# Allegro board F103_LIQUID_V10A.brd (continued)
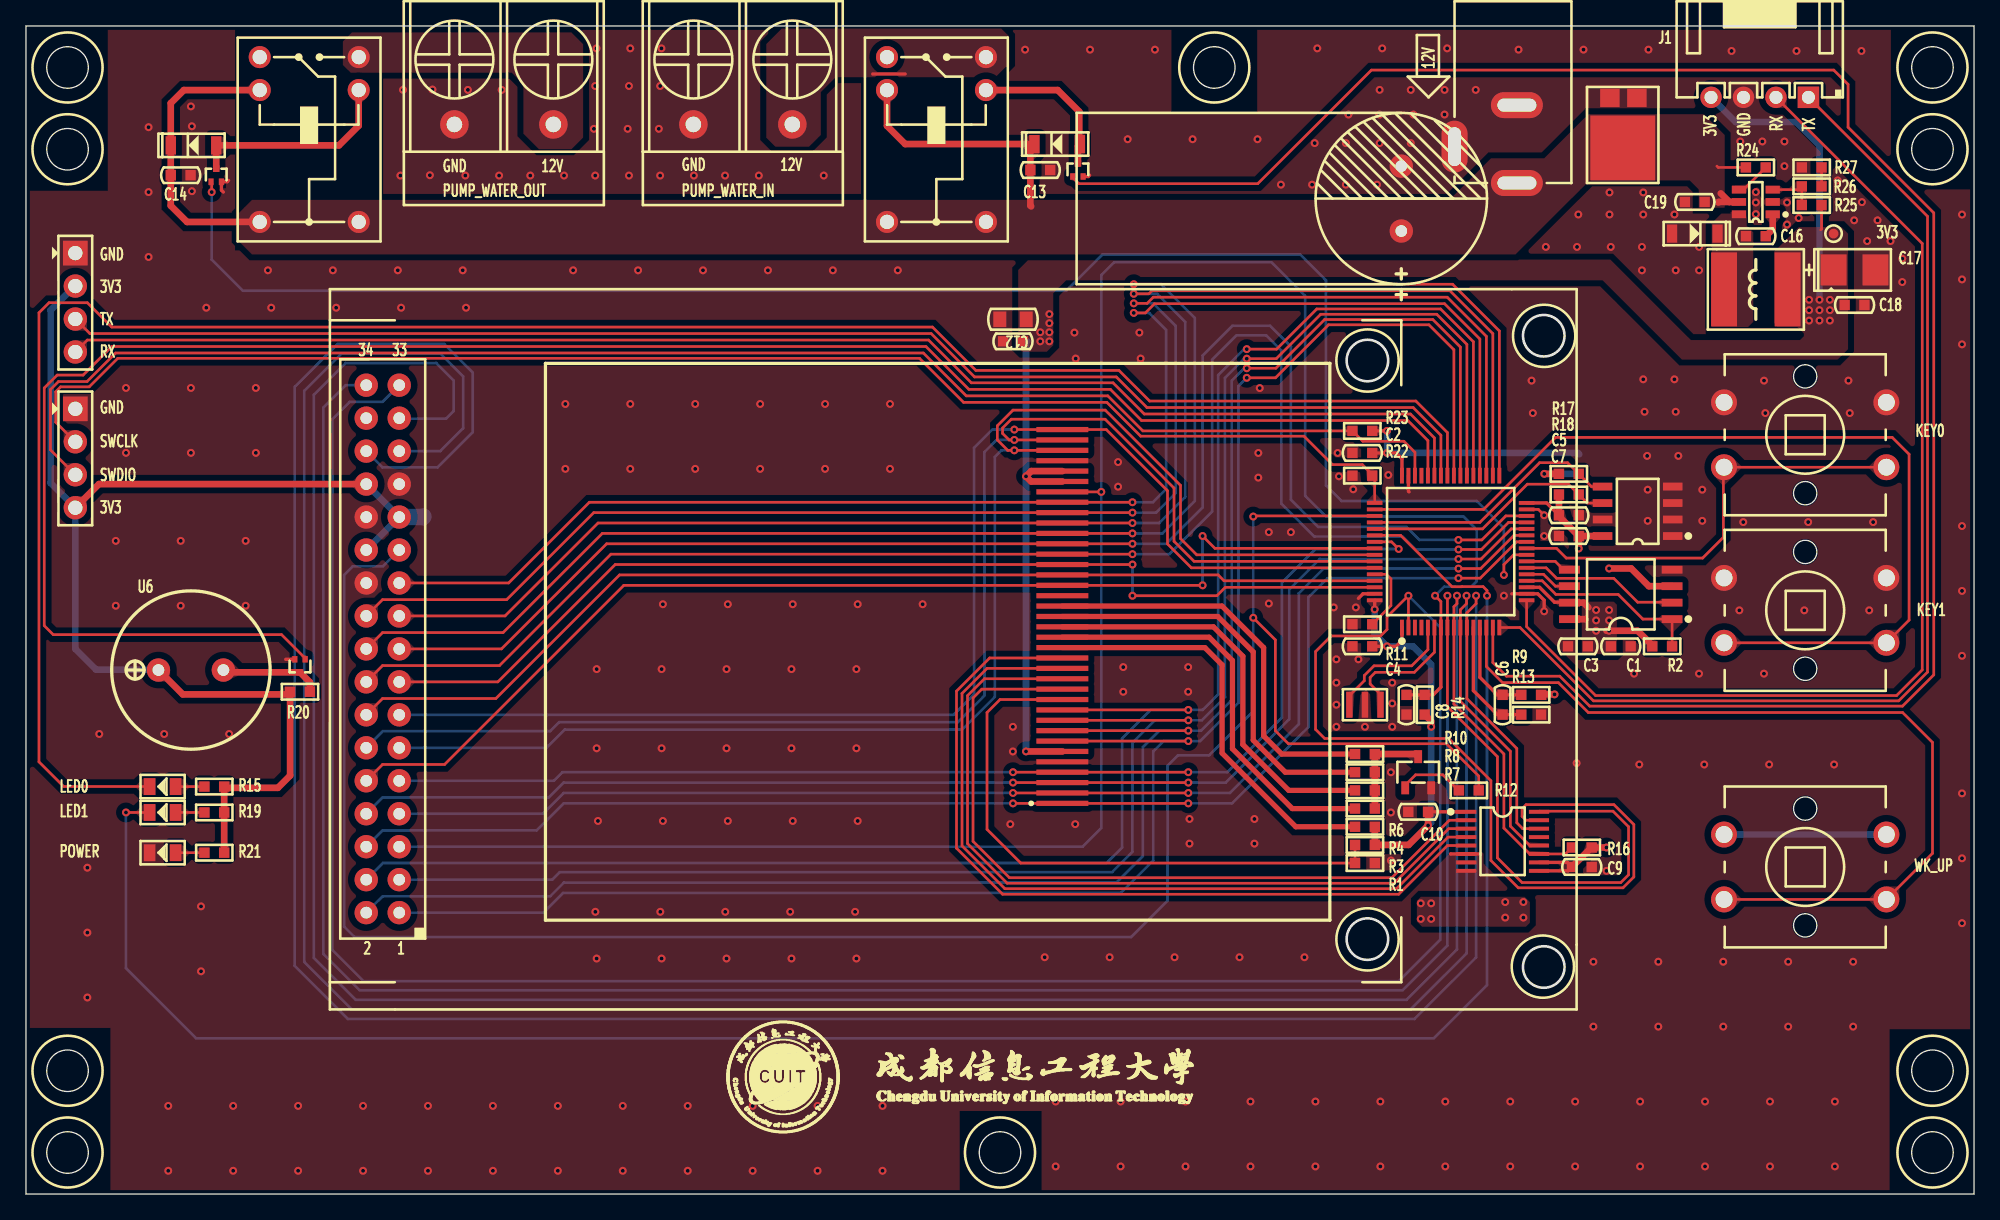
[diagram p0: board, top side]
## Routing (per net, layer and track width the routed paths; a pad name or vN(x,y) marks a point on that pad's centre or on a via; arc(x,y) is an arc through that point) (continued)
VCC_3.3V: length 269.2
  TOP w0.203: 138.2,74.3 138.26,74.36 R25.1
  TOP w0.254: U5.10 118.69,25.55 C9.2 118.74,24.9 U5.9 ; C4.2 v1(104.8,42.2) 105.5,42.2 105.95,42.65 U1.1 ; C2.2 v1(104.8,57.1) 105.5,57.1 105.95,56.65 U1.48 ; C5.2 117.09,53.25 U1.32 ; U1.19 116.55,46.75 117.7,45.6 118.81,45.6 118.85,45.56 ; U1.64 v1(103.85,45.05) ; R23.1 v1(104.8,58.8) ; U5.1 C10.1
  TOP w0.508: C7.2 118.04,52.22 C5.2 R18.2 ; C7.2 U4.8 ; C7.2 v1(119.56,49.74) ; U3.6 v1(77,34.1) ; R4.2 R3.2 106.46,26.9 v1(107.96,28.4) C10.1 ; U3.32 77.4,54.9 v1(77,55.3) 77.41,55.7 U3.33 ; J3.4 5.62,54.7 J2.28 ; C9.2 120.54,26.7 R16.1 v1(121.7,26.7) ; U6.1 12.07,38.5 20.14,38.5 R20.1 20.34,32.24 19.4,31.3 15.36,31.3 R15.1 R19.1 R21.1 ; v1(121.9,48.2) 123.6,48.2 124.97,46.84 U2.3 ; R2.1 125.23,42.27 124.1,43.4 v1(121.9,43.4) 121.7,43.4 ; v1(108.2,36) 108.2,36.44 R14.1 ; U2.8 120.09,44.3 120.1,44.3 ; 118.85,45.56 119.94,45.56 120.3,45.2 ; v1(117.7,38.5) 116.7,38.5 R9.2 ; R17.2 v1(116.91,55.49)
  BOTTOM w0.508: v1(77,34.1) v1(77,55.3) 77,65.6 77.1,65.7 ; v1(107.96,28.4) 108.2,28.64 v1(108.2,36) 108.2,40.8 106.8,42.2 v1(104.8,42.2) 103.85,43.15 v1(103.85,45.05) ; J2.28 J2.25 J2.24 ; 119.6,55.5 119.59,55.49 v1(116.91,55.49) ; SW1.2 SW1.1 ; J1.4 131.65,82.6 136.3,82.6 138.1,80.8 v1(138.1,68.9) ; 119.6,57 119.5,57.1 v1(104.8,57.1) v1(104.8,58.8) ; J4.2 3.76,69.96 1.9,68.1 1.9,54.78 J3.4 3.8,42 5.4,40.4 10.17,40.4 U6.1
  BOTTOM w1.27: J2.25 30.56,52.16 30.6,52.2
  vias: v1(78.1,66.4) v1(78.1,65.7) v1(78.8,67.8) v1(78.8,67.1) v1(78.8,66.4) v1(78.8,65.7) v1(107.4,22.4) v1(107.4,21.2) v1(108.2,22.4) v1(108.2,21.2) v1(113.9,22.5) v1(113.9,21.3) v1(115.3,22.5) v1(115.3,21.3) v1(120.9,45) v1(120.9,44.2) v1(120.9,43.4) v1(121.9,45) v1(121.9,44.2) v1(137.3,68.9) v1(137.3,68.1) v1(137.3,67.3) v1(138.1,68.1) v1(138.1,67.3) v1(138.9,68.9) v1(138.9,68.1) v1(138.9,67.3)
VCC_12V: length 47
  TOP w0.203: 130.2,79.2 130.3,79.1 R24.1
  TOP w0.508: K2.6 12.4,74.9 11.15,76.15 C14.1 D5.2 11.15,84.05 12.16,85.06 K2.5 ; K1.5 66.3,82.3 67.7,80.9 D4.2 77.34,80.59 C13.1 77.34,76.16 77.4,76.1 ; U7.5 131.16,76.44 ; 131.16,76.44 130.34,76.44 130.3,76.4 ; 131.16,76.44 130.5,77.1
VCC_12V_PUMP1: length 2.5
  TOP w0.254: 67.7,86.3 65.2,86.3
VDDA: length 7.6
  TOP w0.254: R9.1 C6.2 113.3,38.46 111.95,39.81 U1.13
VSSA: length 9.3
  TOP w0.254: U1.12 111.45,38.79 113.3,36.94 C6.1 R13.1
BOOT0: length 5.5
  TOP w0.203: R11.1 105.1,45.34 105.1,47.4 104.75,47.75 U1.60
CTL_BEEP: length 153.1
  TOP w0.203: U1.44 107.95,58.05 106.4,59.6 85.9,59.6 83.5,62 72.6,62 69.3,65.3 6.6,65.3 4.4,63.1 2.4,63.1 1.41,62.11 1.41,43.79 2.1,43.1 19.68,43.1 21.5,41.28 Q2.1
CTL_RELAY1: length 151.3
  TOP w0.203: U1.15 112.95,40.95 114,39.9 118.1,39.9 120.41,37.59 144.49,37.59 146.9,40 146.9,75.6 140.3,82.2 140.3,85.5 139.2,86.6 103.6,86.6 94.85,77.85 81.07,77.85 80.6,78.32 Q3.1
CTL_RELAY2: length 132.1
  TOP w0.203: Q4.1 14.3,77.95 v1(14.3,77.2) ; v1(113.8,47.7) 113.8,48.5 114.55,49.25 U1.24
  BOTTOM w0.203: v1(113.8,47.7) 113.8,51.3 111.7,53.4 101.3,53.4 100.1,54.6 100.1,70.4 98.1,72.4 82.9,72.4 80.1,69.6 16.7,69.6 14.3,72 v1(14.3,77.2)
F_CS: length 14.5
  TOP w0.203: U1.20 116.75,47.25 117.8,46.2 122.6,46.2 124.5,44.3 126.75,44.3 U2.1 R2.2
IIC_SCL: length 19.6
  TOP w0.203: U4.6 120.22,53.24 R18.1 118.77,54.7 115.6,54.7 112.16,51.25 U1.53
IIC_SDA: length 20.2
  TOP w0.203: U1.52 111.95,51.75 116.55,56.35 118.7,56.35 R17.1 120.54,54.51 U4.5
IM0: length 46
  TOP w0.203: R3.1 R1.1 76.6,25.5 74,28.1 74,37.1 75,38.1 U3.11
KEY0: length 34
  TOP w0.203: U1.25 117.85,49.75 118.6,49 129.1,49 130.7,50.6 130.7,55.95 SW2.3 SW2.4
KEY1: length 71.7
  TOP w0.203: U1.50 112.23,52.75 117.78,58.3 143.7,58.3 145,57 145,44.22 SW3.4 SW3.3
LCD_BL: length 167.8
  TOP w0.203: R12.1 111.86,32.21 109.38,34.69 97.21,34.69 96.2,35.7 96.2,42.7 v1(94.5,44.4) ; U1.51 94.55,52.25 v1(94.5,52.2)
  BOTTOM w0.203: v1(94.5,52.2) v1(94.5,44.4) 94.5,37.2 91.1,33.8 88.7,33.8 87.9,33 87.9,22.6 85.1,19.8 25.3,19.8 24.5,20.6 24.5,47.7 25.17,48.37 27.48,48.37 J2.23
LCD_CS: length 139.4
  TOP w0.203: U1.40 109.95,65.05 108.03,66.97 100.3,66.97 96.21,62.89 v1(94,62.89) ; U3.7 v1(89.5,34.9)
  BOTTOM w0.203: v1(94,62.89) 93.36,62.25 93.36,37.85 90.41,34.9 v1(89.5,34.9) 87.6,34.9 86.8,34.11 86.8,25.71 84.29,23.2 41.36,23.2 39.84,21.68 J2.1
LCD_D0: length 104.9
  TOP w0.203: U1.26 114.78,50.25 111.98,47.45 v1(110.3,47.45) ; v1(89.5,30.1) U3.1 v1(76,30.1)
  BOTTOM w0.203: v1(110.3,47.45) 100.22,47.45 98.75,45.98 98.75,35.98 92.87,30.1 v1(89.5,30.1) ; J2.6 27.46,28.02 39.32,28.02 41.4,30.1 v1(76,30.1)
LCD_D1: length 101.6
  TOP w0.203: v1(89.5,30.9) U3.2 v1(76,30.9) ; U1.27 114.57,50.75 112.01,48.19 v1(110.3,48.19)
  BOTTOM w0.203: v1(110.3,48.19) 99.92,48.19 98.01,46.28 98.01,36.21 92.7,30.9 v1(89.5,30.9) ; J2.7 39.8,29.3 41.4,30.9 v1(76,30.9)
LCD_D2: length 104.3
  TOP w0.203: U1.28 114.36,51.25 112.04,48.93 v1(110.3,48.93) ; v1(76,31.7) U3.3 v1(89.5,31.7)
  BOTTOM w0.203: v1(76,31.7) 41.4,31.7 40.26,30.56 27.46,30.56 J2.8 ; v1(89.5,31.7) 92.39,31.7 97.27,36.59 97.27,46.59 99.61,48.93 v1(110.3,48.93)
LCD_D3: length 92.5
  TOP w0.203: U1.55 105.15,50.25 v1(105.7,49.7) ; v1(89.5,32.5) U3.4 v1(76,32.5)
  BOTTOM w0.203: v1(105.7,49.7) 99.3,49.7 96.71,47.11 96.71,36.71 92.5,32.5 v1(89.5,32.5) ; J2.9 40.64,31.84 41.3,32.5 v1(76,32.5)
LCD_D4: length 88.1
  TOP w0.203: v1(90.6,46.9) U3.22 46.04,46.9 32.23,33.1 27.46,33.1 J2.10 ; U1.56 91.55,49.75 v1(90.6,50.7)
  BOTTOM w0.203: v1(90.6,46.9) v1(90.6,50.7)
LCD_D5: length 110.7
  TOP w0.203: U1.57 90.15,49.25 88.9,50.5 88.9,54.6 83.1,60.4 76,60.4 74.79,59.19 74.79,58.11 75.6,57.3 v1(76.1,57.3) U3.35
  BOTTOM w0.203: v1(76.1,57.3) 75.1,57.3 74.6,56.8 74.6,38.3 72.09,35.79 41.49,35.79 40.08,34.38 J2.11
LCD_D6: length 111.8
  TOP w0.203: U1.58 89.94,48.75 88.4,50.29 88.4,54.39 83.09,59.7 75.87,59.7 75.2,59.03 75.2,58.6 75.7,58.1 v1(76.1,58.1) U3.36
  BOTTOM w0.203: v1(76.1,58.1) 74.73,58.1 73.8,57.17 73.8,38.4 71.76,36.36 41.06,36.36 40.37,35.67 27.48,35.67 J2.12
LCD_D7: length 102.2
  TOP w0.203: U1.59 89.74,48.25 87.9,50.09 87.9,54.19 83.18,58.9 U3.37 v1(76.1,58.9)
  BOTTOM w0.203: v1(76.1,58.9) 74.4,58.9 73,57.5 73,38.5 71.42,36.92 J2.13
LCD_D8: length 82.3
  TOP w0.203: U1.61 92.25,47.25 91.8,47.7 U3.23 45.7,47.7 36.18,38.18 27.46,38.18 J2.14
LCD_D9: length 81.5
  TOP w0.203: v1(85.2,46.1) 91.7,46.1 92.35,46.75 U1.62 ; v1(85.2,48.5) U3.24 45.37,48.5 36.33,39.46 J2.15
  BOTTOM w0.203: v1(85.2,48.5) v1(85.2,46.1)
LCD_D10: length 121.9
  TOP w0.203: J2.16 27.46,40.72 36.46,40.72 45.04,49.3 U3.25 v1(85.2,49.3) ; v1(110.3,49.66) 112.07,49.66 114.16,51.75 U1.29
  BOTTOM w0.203: v1(110.3,49.66) 106.99,49.66 105.99,50.66 99.19,50.66 96.66,53.19 96.66,64.99 95.49,66.16 93.21,66.16 91.34,64.29 91.34,52.59 88.04,49.3 v1(85.2,49.3)
LCD_D11: length 118.5
  TOP w0.203: U1.30 113.95,52.25 112.1,50.4 v1(110.3,50.4) ; v1(85.2,50.1) U3.26 44.71,50.1 36.61,42 J2.17
  BOTTOM w0.203: v1(85.2,50.1) 85.2,50.1 87.8,50.1 90.6,52.9 90.6,64.6 92.9,66.9 95.8,66.9 97.4,65.3 97.4,53.5 99.5,51.4 106.3,51.4 107.3,50.4 v1(110.3,50.4)
LCD_D12: length 129.2
  TOP w0.203: U1.33 113.45,66.5 109.85,70.1 v1(85.3,70.1) ; J2.18 27.46,43.26 36.73,43.26 44.38,50.9 U3.27 v1(85.2,50.9)
  BOTTOM w0.203: v1(85.3,70.1) 87.4,70.1 90,67.5 90,53.4 87.5,50.9 v1(85.2,50.9)
LCD_D13: length 122.7
  TOP w0.203: v1(85.2,51.7) U3.28 44.05,51.7 36.89,44.54 J2.19 ; U1.34 112.95,66.29 109.64,69.6 86.7,69.6 86.46,69.36 v1(85.3,69.36)
  BOTTOM w0.203: v1(85.2,51.7) 87.26,51.7 89.26,53.71 89.26,67.19 87.09,69.36 v1(85.3,69.36)
LCD_D14: length 122.4
  TOP w0.203: J2.20 27.46,45.8 37.01,45.8 43.72,52.5 U3.29 v1(85.2,52.5) ; v1(85.3,68.63) 86.33,68.63 86.8,69.1 109.44,69.1 112.45,66.09 U1.35
  BOTTOM w0.203: v1(85.2,52.5) 87.02,52.5 88.53,54.01 88.53,66.89 86.79,68.63 v1(85.3,68.63)
LCD_D15: length 115.9
  TOP w0.203: J2.21 37.16,47.08 43.38,53.3 U3.30 v1(85.2,53.3) ; U1.36 111.95,65.88 109.23,68.6 86.9,68.6 86.19,67.89 v1(85.3,67.89)
  BOTTOM w0.203: v1(85.2,53.3) 86.78,53.3 87.79,54.32 87.79,66.58 86.48,67.89 v1(85.3,67.89)
LCD_LEDA: length 32.2
  TOP w0.4: U3.16 90.77,42.1 92.1,40.77 92.1,33.97 97.77,28.3 R4.1
LCD_LEDK1: length 32
  TOP w0.4: R6.1 97.51,29.7 92.9,34.31 92.9,41.11 91.1,42.9 U3.17
LCD_LEDK2: length 31.7
  TOP w0.4: R7.1 97.24,31.1 93.7,34.64 93.7,41.44 91.44,43.7 U3.18
LCD_LEDK3: length 31.5
  TOP w0.4: U3.19 91.77,44.5 94.5,41.77 94.5,34.97 96.97,32.5 R8.1
LCD_LEDK4: length 31.2
  TOP w0.4: R10.1 96.7,33.9 95.3,35.3 95.3,42.1 92.1,45.3 U3.20
LCD_RD: length 143.9
  TOP w0.203: v1(94,65.1) 96.3,65.1 99.39,68.19 108.93,68.19 111.45,65.67 U1.37 ; U3.10 v1(89.5,37.3)
  BOTTOM w0.203: v1(94,65.1) 93.92,65.02 93.73,65.02 91.8,63.1 91.8,38.5 90.6,37.3 v1(89.5,37.3) 86.6,37.3 84.4,35.1 84.4,26.7 83.21,25.51 27.48,25.51 J2.4
LCD_RS: length 143
  TOP w0.203: v1(94,63.63) 96.24,63.63 100,67.38 108.33,67.38 110.45,65.26 U1.39 ; U3.8 v1(89.5,35.7)
  BOTTOM w0.203: v1(94,63.63) 93.92,63.55 93.73,63.55 92.84,62.67 92.84,38.07 90.48,35.7 v1(89.5,35.7) 87.26,35.7 86,34.44 86,26.04 83.96,24 41.42,24 40.36,22.94 27.46,22.94 J2.2
LCD_WR: length 140.4
  TOP w0.203: v1(94,64.36) 96.27,64.36 99.69,67.79 108.63,67.79 110.95,65.46 U1.38 ; U3.9 v1(89.5,36.5)
  BOTTOM w0.203: v1(94,64.36) 93.92,64.29 93.73,64.29 92.32,62.88 92.32,38.28 90.54,36.5 v1(89.5,36.5) 86.93,36.5 85.2,34.77 85.2,26.37 83.63,24.8 41.1,24.8 40.52,24.22 J2.3
LED0: length 160.1
  TOP w0.203: D1.2 9.51,31.4 2.9,31.4 1,33.3 1,67.9 1.78,68.68 4.72,68.68 6.6,66.8 69.8,66.8 73.14,63.46 84.16,63.46 86.52,61.1 107.02,61.1 109.45,58.67 U1.41
LED1: length 163.4
  TOP w0.203: v1(7.7,29.4) D2.2 ; v1(112.5,46.1) 112.5,46.5 112.2,46.8 110.58,46.8 110.57,46.79 109.81,46.79 105.85,50.75 U1.54
  BOTTOM w0.203: v1(7.7,29.4) 7.7,17.4 13.1,12 108.4,12 112.5,16.1 v1(112.5,46.1)
NRST: length 164.9
  TOP w0.203: U3.31 79.8,54.1 v1(82.8,54.1) ; U1.7 108.95,45.65 v1(108.5,46.1)
  TOP w0.254: C8.1 R14.2 108.35,38.46 108.95,39.06 U1.7
  BOTTOM w0.203: v1(108.5,46.1) 109.2,46.8 110.02,46.8 110.03,46.79 111.29,46.79 111.7,47.2 111.7,51.2 110.7,52.2 100.1,52.2 98.5,53.8 98.5,69.2 95.9,71.8 83.8,71.8 82.8,70.8 v1(82.8,54.1) 82.8,28.2 81.36,26.76 J2.5
OSC_IN: length 10.2
  TOP w0.203: X1.1 102,37.8 102,38.5 103.05,39.55 103.05,39.95 103.8,40.7 106.7,40.7 107.95,41.95 U1.5
OSC_OUT: length 10.1
  TOP w0.203: U1.6 108.45,41.74 106.91,40.2 103.9,40.2 103.5,39.8 103.5,39.3 104.3,38.5 X1.3
SPI1_MISO: length 12.3
  TOP w0.203: U1.22 117.05,48.25 117.86,47.44 122.26,47.44 124.1,45.6 126.72,45.6 126.75,45.56
SPI1_MOSI: length 3.6
  TOP w0.203: U1.23 117.75,48.75 118.39,48.1 118.85,48.1
SPI1_SCK: length 3.7
  TOP w0.203: U2.6 117.77,46.84 116.85,47.75 U1.21
SWCLK: length 112.9
  TOP w0.203: U1.49 103.85,55.16 R22.2 103.66,55.44 102.9,56.2 100.6,56.2 98.41,58.39 85.83,58.39 83.23,61 72.19,61 68.8,64.39 7.07,64.39 4.87,62.19 2.67,62.19 2.29,61.81 2.29,59.47 J3.2
SWDIO: length 118.6
  TOP w0.203: U1.46 106.95,57.15 106.1,58 102.94,58 R23.2 86,58.8 83.3,61.5 72.4,61.5 69.1,64.8 6.9,64.8 4.7,62.6 2.5,62.6 1.88,61.98 1.88,57.34 J3.3
T_CS: length 229.1
  TOP w0.203: U5.15 115.5,28.8 115.2,29.1 115.2,29.69 115.51,30 122.27,30 123.81,28.47 123.81,24.43 122.97,23.59 114.91,23.59 112.8,25.7 112.8,31.84 109.54,35.1 100,35.1 99.3,35.8 99.3,41.8 100.5,43 104.3,43 104.8,43.5 104.8,44.46 106.44,46.1 v1(106.45,46.1) U1.2
  BOTTOM w0.203: v1(106.45,46.1) 108.9,43.65 108.9,19.6 105.7,16.4 26,16.4 23.6,18.8 23.6,59.71 24.93,61.04 27.46,61.04 J2.33
T_MISO: length 210.5
  TOP w0.203: v1(110.92,46.1) 110.92,45.49 110.45,45.02 U1.10 110.45,37.96 114.3,34.11 114.3,28.35 115.79,26.85 U5.12
  BOTTOM w0.203: J2.29 31.9,57.24 33.66,59.01 33.66,62.99 31.89,64.76 24.31,64.76 21.43,61.88 21.43,17.89 25.09,14.23 106.61,14.23 110.92,18.54 v1(110.92,46.1)
T_MOSI: length 218.8
  TOP w0.203: v1(111.66,46.1) 111.66,45.49 110.95,44.78 U1.11 110.95,38.17 114.79,34.33 114.79,28.61 115.25,28.15 U5.14
  BOTTOM w0.203: v1(111.66,46.1) 111.66,18.23 106.92,13.49 24.78,13.49 20.69,17.58 20.69,62.19 24,65.5 32.2,65.5 34.4,63.3 34.4,58.7 31.69,55.99 27.46,55.99 J2.30
T_PEN: length 206.6
  TOP w0.203: v1(110.19,46.1) 110.19,45.49 109.95,45.25 U1.9 109.95,37.76 113.8,33.91 113.8,28.2 115.79,26.2 U5.11 118.54,26.2 R16.2
  BOTTOM w0.203: J2.31 28.78,59.74 32.34,59.74 32.93,60.33 32.93,62.69 31.59,64.03 24.61,64.03 22.16,61.58 22.16,18.19 25.39,14.96 106.31,14.96 110.19,18.84 v1(110.19,46.1)
T_SCK: length 206.2
  TOP w0.203: v1(109.45,46.1) U1.8 109.45,37.55 113.3,33.7 113.3,25.9 115.2,24 122.8,24 123.4,24.6 123.4,28.3 122.2,29.5 116.55,29.5 U5.16
  BOTTOM w0.203: v1(109.45,46.1) 109.45,19.15 106,15.7 25.7,15.7 22.9,18.5 22.9,60.6 24.62,62.32 J2.34
USART1_RX: length 111.1
  TOP w0.203: J4.4 4.72,65.8 69.5,65.8 72.8,62.5 83.7,62.5 86.11,60.1 106.61,60.1 108.45,58.26 U1.43
USART1_TX: length 112
  TOP w0.203: J4.3 4.92,66.3 69.7,66.3 73.04,62.96 83.96,62.96 86.31,60.6 106.81,60.6 108.95,58.46 U1.42
USART2_RX: length 84.3
  TOP w0.203: J1.2 146.01,73.24 146.01,40.39 144.03,38.41 120.86,38.41 115.55,43.72 U1.17
USART2_TX: length 84.3
  TOP w0.203: J1.1 146.42,75.33 146.42,40.22 144.2,38 120.69,38 115.04,43.65 U1.16
WK_UP: length 65.8
  TOP w0.203: U1.14 112.45,40.65 113.7,39.4 118,39.4 120.3,37.1 144.5,37.1 146.8,34.8 146.8,26.25 SW1.4 SW1.3
X+: length 59.2
  TOP w0.203: U3.12 73.6,38.9 72.92,38.22 72.92,27.18 75.73,24.37 105.17,24.37 109.6,28.8 U5.2
X-: length 62.1
  TOP w0.203: U5.4 109.5,27.5 105.52,23.52 75.38,23.52 72.07,26.83 72.07,38.57 74,40.5 U3.14
Y+: length 60.6
  TOP w0.203: U5.3 109.55,28.15 105.35,23.95 75.55,23.95 72.5,27 72.5,38.4 73.8,39.7 U3.13
Y-: length 63.6
  TOP w0.203: U3.15 74.2,41.3 71.65,38.75 71.65,26.65 75.2,23.1 105.7,23.1 109.45,26.85 U5.5
N17026623: length 2.2
  TOP w0.203: R15.2 D1.1
N17026648: length 2.2
  TOP w0.203: D2.1 R19.2
N17026724: length 2.2
  TOP w0.203: R21.2 D3.1
N17064279: length 7.8
  TOP w0.508: U6.2 15.37,40.2 Q2.3 21.86,39.44 R20.2
N17081273: length 12
  TOP w0.508: K1.2 79.44,85.06 81.1,83.4 81.1,80.95 D4.1 81,80.75 Q3.3
N17083179: length 16.1
  TOP w0.508: K2.2 25.62,82.32 24.1,80.8 D5.1 Q4.3
N17083776: length 1.9
  TOP w0.508: U7.1 134.5,74.34 C16.1
N17083890: length 3.8
  TOP w0.203: R25.2 R26.1 136.49,77.39 U7.3
N17083894: length 2.8
  TOP w0.203: U7.4 132.25,77.39 R24.2
N17083932: length 1.5
  TOP w0.203: R26.2 R27.1
N17085874: length 7.6
  TOP w0.508: Q1.3 107,33.9 R10.2 R8.2 R7.2 R6.2
N170859511: length 5.2
  TOP w0.203: R12.2 110.3,31.1 109.1,32.3 107,32.3 106.2,31.5 Q1.1

## Copper pours and planes (outline as drawn; the poured copper is in the pictures)
GND on TOP: 94.8,89.7 143.6,89.7 143.6,77.4 149.7,77.4 149.7,12.7 143.5,12.7 143.5,0.3 78.2,0.3 78.2,6.4 71.9,6.4 71.9,0.3 6.5,0.3 6.5,12.8 0.3,12.8 0.3,77.3 6.3,77.3 6.3,89.7 16.1,89.7 16.1,72.7 27.5,72.7 27.5,89.7 64.3,89.7 64.3,73.1 75.7,73.1 75.7,89.7 88.2,89.7 88.2,83.3 94.8,83.3 ; 34 cut-outs
GND on BOTTOM: 94.8,89.7 143.6,89.7 143.6,77.4 149.7,77.4 149.7,12.7 143.5,12.7 143.5,0.3 78.2,0.3 78.2,6.4 71.9,6.4 71.9,0.3 6.5,0.3 6.5,12.8 0.3,12.8 0.3,77.3 6.3,77.3 6.3,89.7 16.1,89.7 16.1,72.7 27.5,72.7 27.5,89.7 64.3,89.7 64.3,73.1 75.7,73.1 75.7,89.7 88.2,89.7 88.2,83.3 94.8,83.3 ; 10 cut-outs
VCC_3.3V on TOP: 115.4,22.9 107.4,22.9 107.1,22.6 107.1,21 107.5,20.6 115.5,20.6 115.8,20.9 115.8,22.5
VCC_3.3V on TOP: 136.5,74.5 139.8,74.5 140.3,74 140.3,65.1 139.5,64.3 127.5,64.3 121.4,70.4 80.1,70.4 79.1,69.4 79.1,65.4 78.6,64.9 76.7,64.9 76.4,65.2 76.4,71.2 77.2,72 122,72 128.2,65.8 136.6,65.8 136.9,66.1 136.9,66.3 136.4,66.8 134.9,66.8 134.6,67.1 134.6,72.6
VCC_3.3V on TOP: 119.8,41.6 122.4,41.6 122.5,41.7 122.5,45.4 122.1,45.8 120.3,45.8 119.8,45.3
VCC_3.3V on BOTTOM: 123.8,69.5 147.1,69.5 148.3,68.3 148.3,27.1 146.8,25.6 118.5,25.6 116.5,23.6 116.5,21.1 115.9,20.5 113.9,20.5 113.3,21.1 113.3,24.6 118.1,29.4 143.5,29.4 144.9,30.8 144.9,65.8 144,66.7 125.3,66.7 122.5,63.9 122.5,38.9 121.5,37.9 117.3,37.9 117,38.2 117,39.1 117.3,39.4 118.2,39.4 119.2,40.4 119.2,64.9
VCC_3.3V on BOTTOM: 107.1,20.7 108.5,20.7 108.7,20.9 108.7,36.1 108.4,36.4 107.9,36.4 106.8,35.3 106.8,21
VCC_3.3V on BOTTOM: 79.4,68.5 38.6,68.5 35.9,65.8 35.9,57.1 31.7,52.9 30.3,52.9 29.9,52.5 29.9,51.5 30.2,51.2 32.6,51.2 37.7,56.3 37.7,64.4 38.5,65.2 79.3,65.2 79.7,65.6 79.7,68.2
VCC_12V on TOP: 17.4,76.6 109.6,76.6 112.8,79.8 116.9,79.8 120.3,83.2 129.2,83.2 130.8,81.6 130.8,76 128.8,76 128.8,77.4 128.1,78.1 120.4,78.1 114.7,72.4 17.4,72.4 16.3,73.5 16.3,75.5
VCC_12V_PUMP1 on TOP: 58.2,89.8 75.1,89.8 75.7,89.2 75.7,87.1 74.65,86.05 62.35,86.05 61.2,84.9 61.2,81.6 60.3,80.7 57.7,80.7 57,81.4 57,88.6
VCC_12V_PUMP2 on TOP: 25.1,89.5 42,89.5 42.9,88.6 42.9,81.4 42,80.5 39.5,80.5 38.3,81.7 38.3,85.5 37.4,86.4 25,86.4 24.4,87 24.4,88.8
N17083774 on TOP: 129.8,66.8 132.6,66.8 133,67.2 133,74.1 132.5,74.6 132.5,75.8 130.8,75.8 129.8,74.8

Small or netless copper shapes (teardrops, artwork), in the pictures only: 287 on TOP, 87 on BOTTOM

## Text on the board
Ref Des/Silkscreen Bottom: NAME:F103_LIQUID_V10A | DATE:2019_03_10
Ref Des/Silkscreen Top: LED0 | LED1 | POWER | GND | 3V3 | TX | RX | SWCLK | SWDIO | PUMP_WATER_OUT | 12V | PUMP_WATER_IN | WK_UP | KEY0 | KEY1
DISPLAY_TOP: SCALE: NONE | Layers | Single Ended | Differential | If the angle of PCB board outline is circular,please use this kind of break out area | If not use it,please delete it before you gerber out | If the angle of PCB board outline is right angle,please use this kind of break out area | AS usual,please use the 0.8MM stamp Via | L1 | L4 | 5.00 | 50 | 4.2 | 6.00 | 100 | 4.70 | 90 | Trace Width | (Mils) | Impedance | (Ohms) | Trace Spacing | "Airgap" | A_TARGET:1.53 mm | ___ PUBI (PUBLIC INFORMATION) | ___ FIUO (HY INTERNAL USE ONLY) | ___ FCP (HY CONFIDENTIAL PROPRIETARY) | THIS DOCUMENT CONTAINS INFORMATION | PROPRIETARY TO FREESCALE AND SHALL | NOT BE USED FOR ENGINEERING DESIGN | PROCUREMENT OR MANUFACTURE IN WHOLE | OR IN PART WITHOUT THE CONSENT OF | NXP. | 1. THIS DRAWING SPECIFIES THE REQUIREMENTS FOR A | 2. THE PWB MUST BE LEAD FREE ASSEMBLY PROCESS COMPATIBLE AND MUST BE ABLE TO HANDLE | 3. BASE MATERIAL - LAMINATE AND PREPREG SHALL MEET IPC-4101B-26, 83 or 98 | Tg - MUST BE GREATER THAN OR EQUAL TO 150 DEGREES CELSIUS. | Td - MUST BE GREATER THAN OR EQUAL TO 330 DEGREES CELSIUS. | 4. COPPER FOIL WEIGHT - SEE STACKUP DETAIL 'A' | 5. CHARACTERISTIC IMPEDANCE - SEE DETAIL 'B' | 6. MINIMUM CONDUCTIVE WIDTH/SPACING TO BE .00X"/.00X" | 7. PLATING FINISH - BOTH SIDES ENIG (ELECTROLESS NICKEL IMMERSION GOLD): | 8. ALL THROUGH HOLE VIAS MAY BE PLATED SHUT. | - MUST BE UL RECOGNIZED AND MUST HAVE AN ID THAT CONFORMS TO UL94V-0 | 9. SOLDERMASK - GREEN COLOR (TAIYO OR EQUIVALENT), BOTH SIDES. | 10. SILKSCREEN - WHITE EPOXY INK, BOTH SIDES.  NO SILK ON PADS. | 11. ELECTRICAL TEST - 100% IPCD356. | 12. PRINTED WIRING BOARD IS TO BE INDIVIDUALLY BAGGED. | 13. DRC'S MUST BE RUN ON THE GERBER BEFORE BUILDING BOARDS, | UNLESS PRIOR APPROVAL IS GIVEN IN WRITING BY FREESCALE. | 14. ADD TEARDROPS TO ALL SIGNAL LAYERS. | 15. SOLDER SAMPLES TO BE PROVIDED. | 16. BASIC GRID INCREMENT AT 1:1 IS .0001. | 17. SUPPLIER MARKINGS - ON SOLDER SIDE ONLY, WHERE SHOWN. | MODIFICATION OF SOLDERMASK IS NOT ALLOWED WITHOUT WRITTEN PERMISSION FROM FREESCALE. | WITH SPECIFICATION IPC-A-600 CLASS 2 (LATEST REVISION). | A MINIMUM OF 5 CYCLES AT 260 DEGREES CELSIUS FOR 10 SECONDS. | 18. THE PWB WILL BE MARKED AS LEAD FREE BY USE OF AN INK STAMP Pb | 19. THE PWB WILL BE MARKED AS LEAD FREE PROCESS COMPATIBLE BY USE OF AN INK STAMP 260 C | 21. FINISHED PCB MUST BE PANELIZED FOR ASSEMBLY ACCORDING TO CONTRACT MANUFACTURING REQUIREMENT. | ADDITION OF .25" RAILS AND .125" NON-PLATED TOOLING HOLES ARE AT THE DISCRETION | OF CONTRACT MANUFACTURER AND FAB HOUSE. | PANELIZATION MUST BE APPROVED BY FREESCALE. | 2.540-6.350 MICRON (100-250 MICROINCH) OF NICKEL. | .05080-.232 MICRON (2-8 MICROINCH) OF GOLD OVER | PRINTED WIRING BOARD IN ACCORDANCE | 20. ALL PLATED AND NON-PLATED THROUGH HOLES ARE TO BE DRILLED AT PRIMARY DRILL STEP. | ALL HOLE LOCATION TOLERANCES ARE TO BE +/-.002 IN REFERENCE TO THE PRIMARY DATUM. | X | XXXLZJXXX | V10A | 19_02_15 | 19-02-15 | JLC:  1.6mm THK +/- 10% | LAYER 1  TOP SIDE          1oz+plating | LAYER 2  BOTTOM SIDE       1oz+plating | FINISHED Cu WEIGHT | NO-***** | 1/1 | CAD-***** | 1 | DETAIL A | LAYER STACKUP | DETAIL B | IMPEDANCE REQUIREMENTS | IMPEDANCE TOLERANCE IS 10% | DRV8711_TEST_V10A | FAB-***** | A2 | HYOC
DEVICE_TYPE_TOP: FIGURE | FINISHED_SIZE | 0.3048 | 0.9 | 1.0 | 1.1 | 1.2 | 1.3 | 3.0x1.0 | DRILL CHART: TOP to BOTTOM | ALL UNITS ARE IN MILLIMETERS | ROTATION | - | 90.000 | 0.000 | PLATED | QTY | 418 | 38 | 4 | 20 | 12 | 1 | 2 | 499 | TOTAL HOLES:
